# Altium PCB BGA_faser_v2.PcbDoc (part 5 of 5)
Units mil, origin at the board's own origin, x right, y up, seen from the top; angles counter-clockwise.
Board outline 2637.8 x 3937.01 mil, 6 copper layers (Top Layer, GND1, Layer 3, PWR, GND2, Bottom Layer), stack 32.112 mil thick; 367 components, 429 nets, 2041 pads, 1008 vias.
Unrouted connection lines stored in the file: 107.
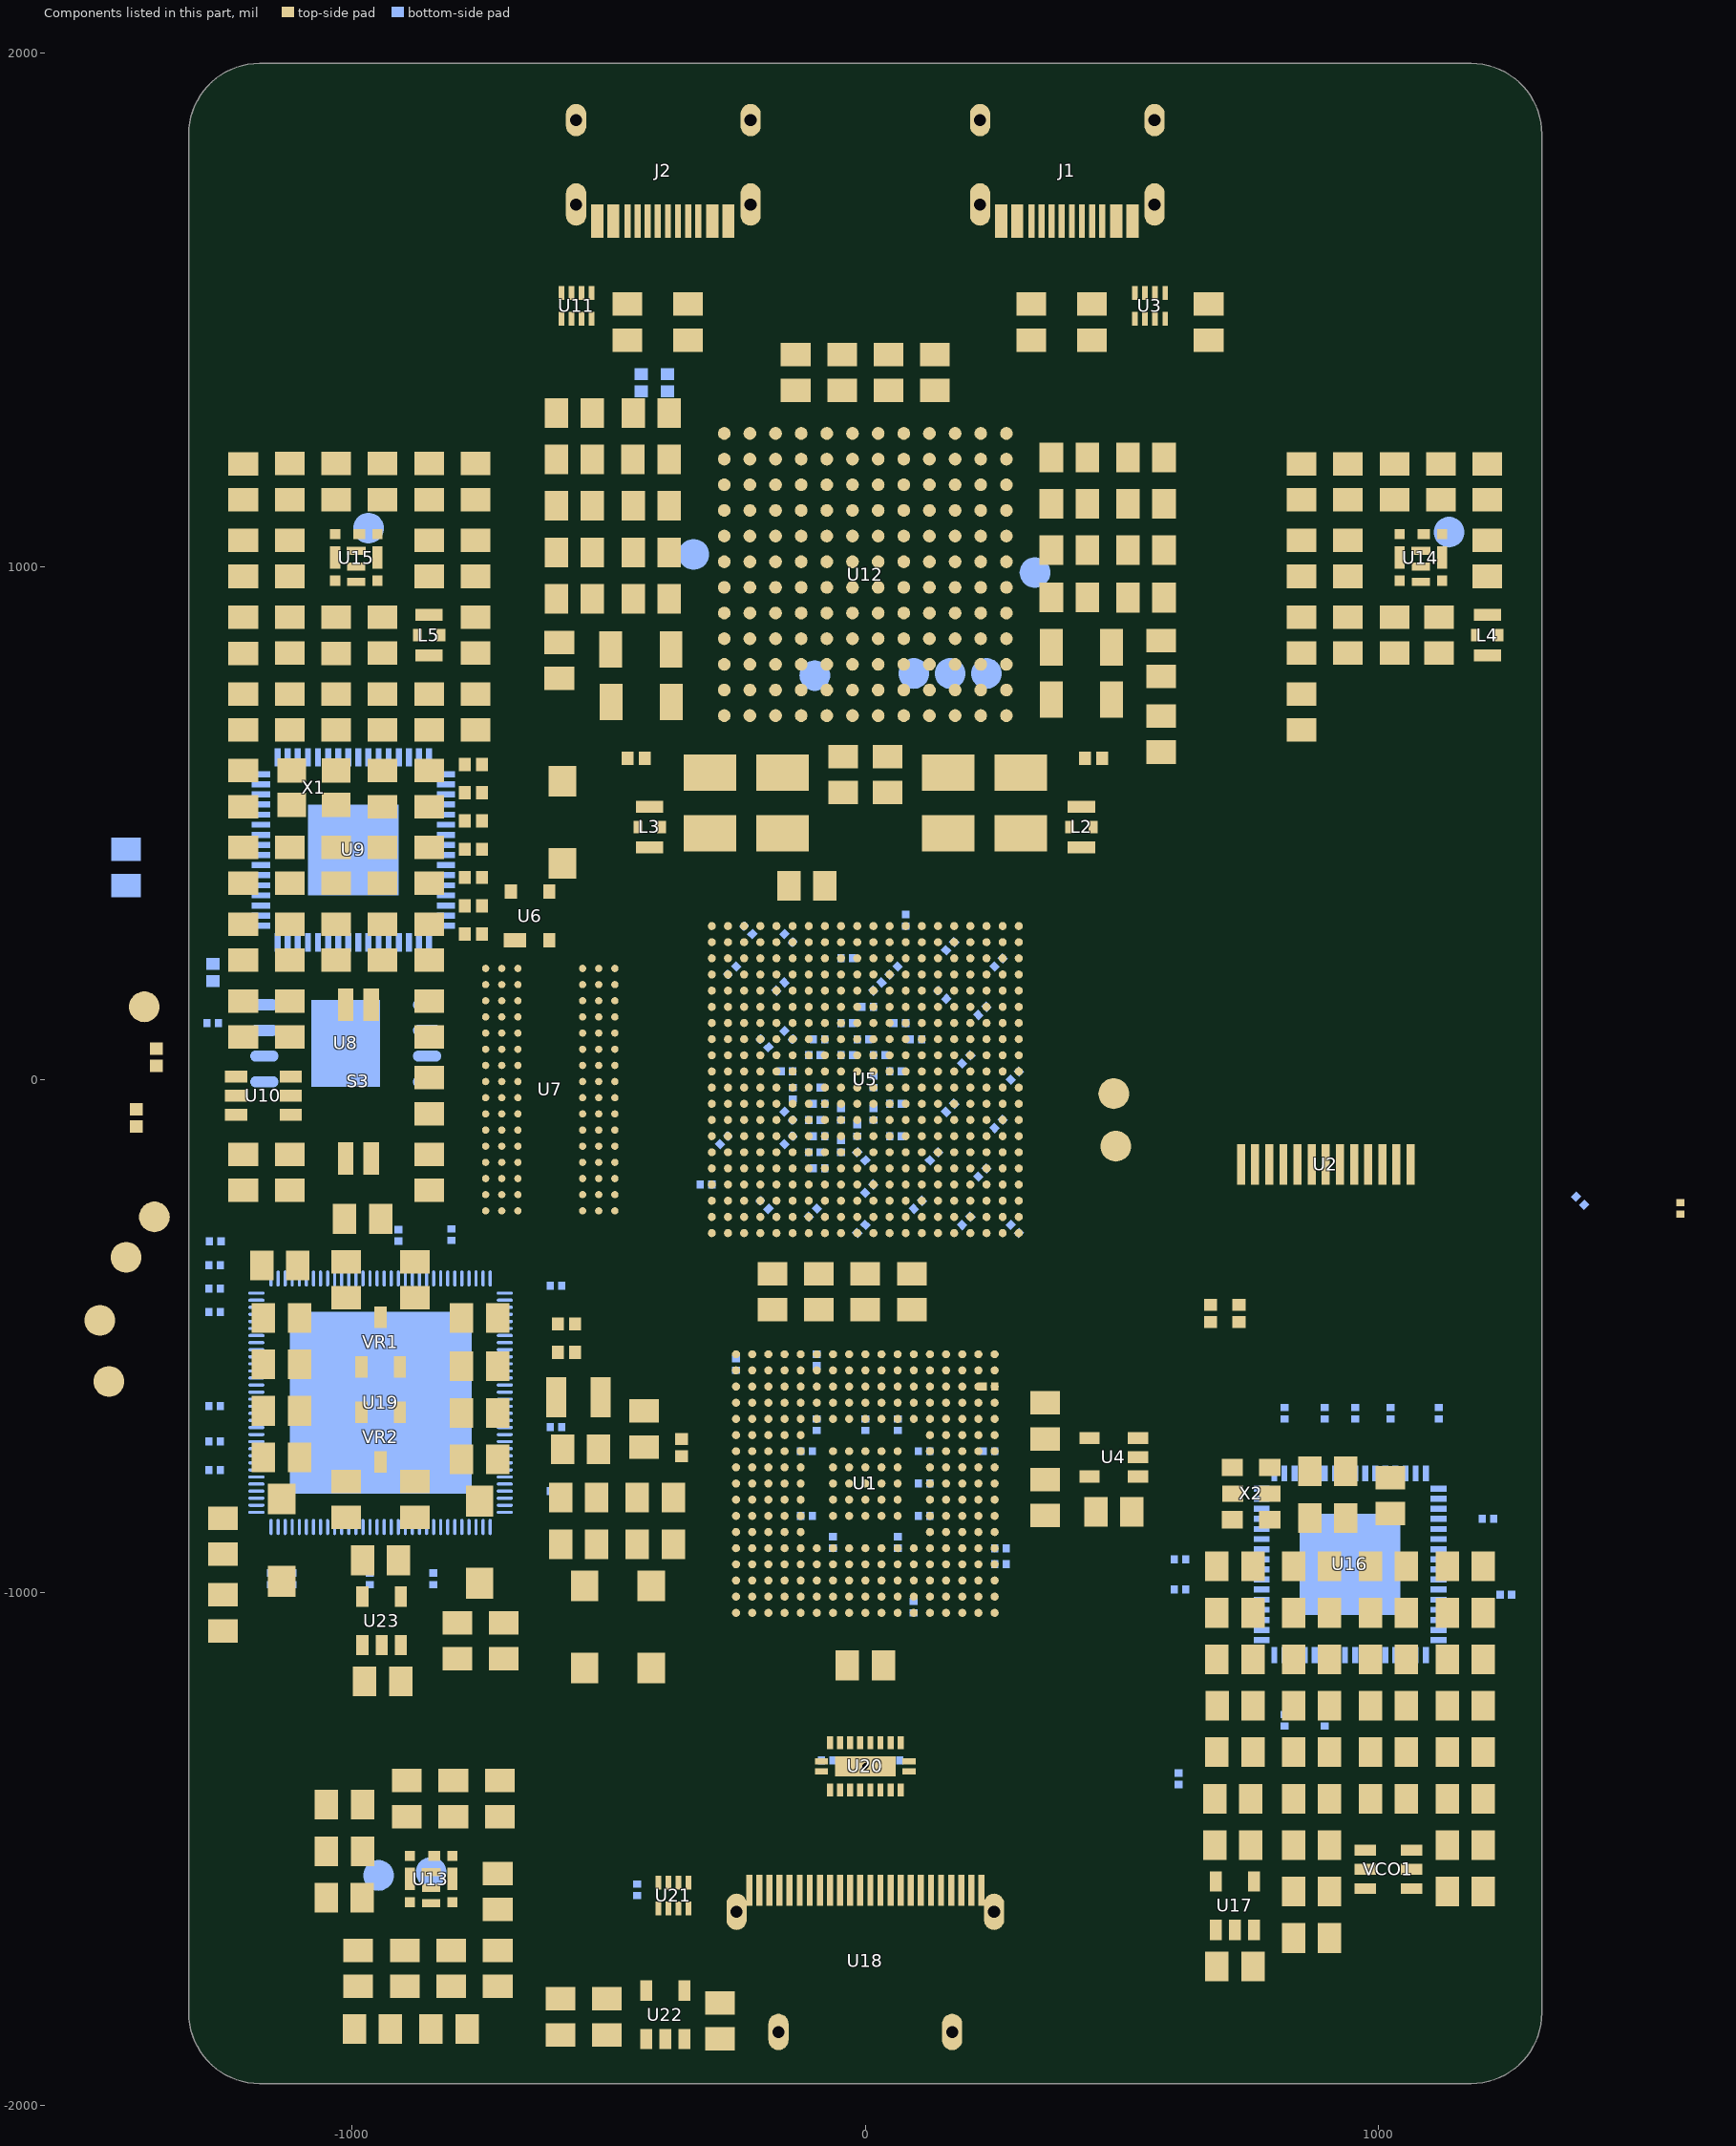
[diagram p9: the components of this part, seen from the top]

## Silkscreen, mask and mechanical layers (free items; w line width, h text height)
Top Overlay:
  lines w10: -1318.9,-1755.91 -1318.9,-1956.69 -1181.1,-1956.69 ; -1318.9,1842.52 cw(c-1181.1,1842.52) -1181.1,1980.31 ; 1181.1,1980.31 cw(c1181.1,1842.52) 1318.9,1842.52 ; -1181.1,-1956.69 cw(c-1181.1,-1818.9) -1318.9,-1818.9 -1318.9,1980.31 1318.9,1980.31 1318.9,-1818.9 ; -1181.1,-1956.69 1181.1,-1956.69 ; 1181.1,-1956.69 ccw(c1181.1,-1818.9) 1318.9,-1818.9 ; 1181.1,-1956.69 1318.9,-1956.69 1318.9,-1818.9
  text "H7 USBD" at 634.84,1762.8 h60
  text "JTAG" at -137.92,1665.98 h60
  text "SMP/AMP学习专用" at 826.77,1555.97 h60
  text "POR" at 1500,566.93 h60
  text "EEPROM" at -1543.31,216.85 h30
  text "E" at 3263.78,66.93 h590.55
  text "SRST" at 1826.77,-86.61 h60
  text "DOWN" at 1874.02,-322.83 h60
  text "PSCLK" at 1488.19,-354.33 h60
  text "PLCLK" at 1618.11,-476.38 h60
  text "PS_U1_TX" at -2748.03,-742.91 h40
  text "PS_U1_RX" at -2748.03,-843.3 h40
  text "PS_U2_TX" at -2748.03,-921.06 h40
  text "PS UART" at -1578.74,-952.76 h60
  text "PS_U2_RX" at -2748.03,-969.29 h40
  text "BOOT" at -606.3,-1230.99 h60
  text "NRST" at -468.46,-1230.62 h60
  text "H7 UART" at 1641.73,-1787.4 h60
  text "MIPI LDO" at 307.09,-2011.81 h40
  text "H7_RX1" at 511.81,-2066.93 h40
  text "H7_TX1" at 527.56,-2153.54 h40
  text "JLCJLCJLCJLC" at -169.38,-2160.97 h43.31
  text "H7_RX2" at -432.29,-2188.98 h40 r90
  text "H7_TX2" at -554.34,-2192.91 h40 r90
Top Solder:
  rectangle: 675.2,1855.31 1009.84,1934.05
Bottom Solder:
  rectangle: 675.2,1855.31 1009.84,1934.05

## Dimensions
-1318.9,1980.31 to 1318.9,1980.31 on Top Overlay
-1181.1,-1956.69 to -1318.9,1980.31 on Top Overlay

## Text inside footprints (layer, text, board x,y; h text height)
S3: Top Overlay "ON" at -1006.11,-57.09 h20 r90; Top Overlay "ON" at -946.07,-57.09 h20 r90; Top Overlay "1" at -950.71,94.49 h47.24 r180; Top Overlay "2" at -1005.79,94.49 h47.24 r180
U2: Top Overlay "1" at 1059.86,-111.3 h29.42; Top Overlay "13" at 710.11,-110.87 h29.2